# KiCad board Dumpling_Main.kicad_pcb (continued)
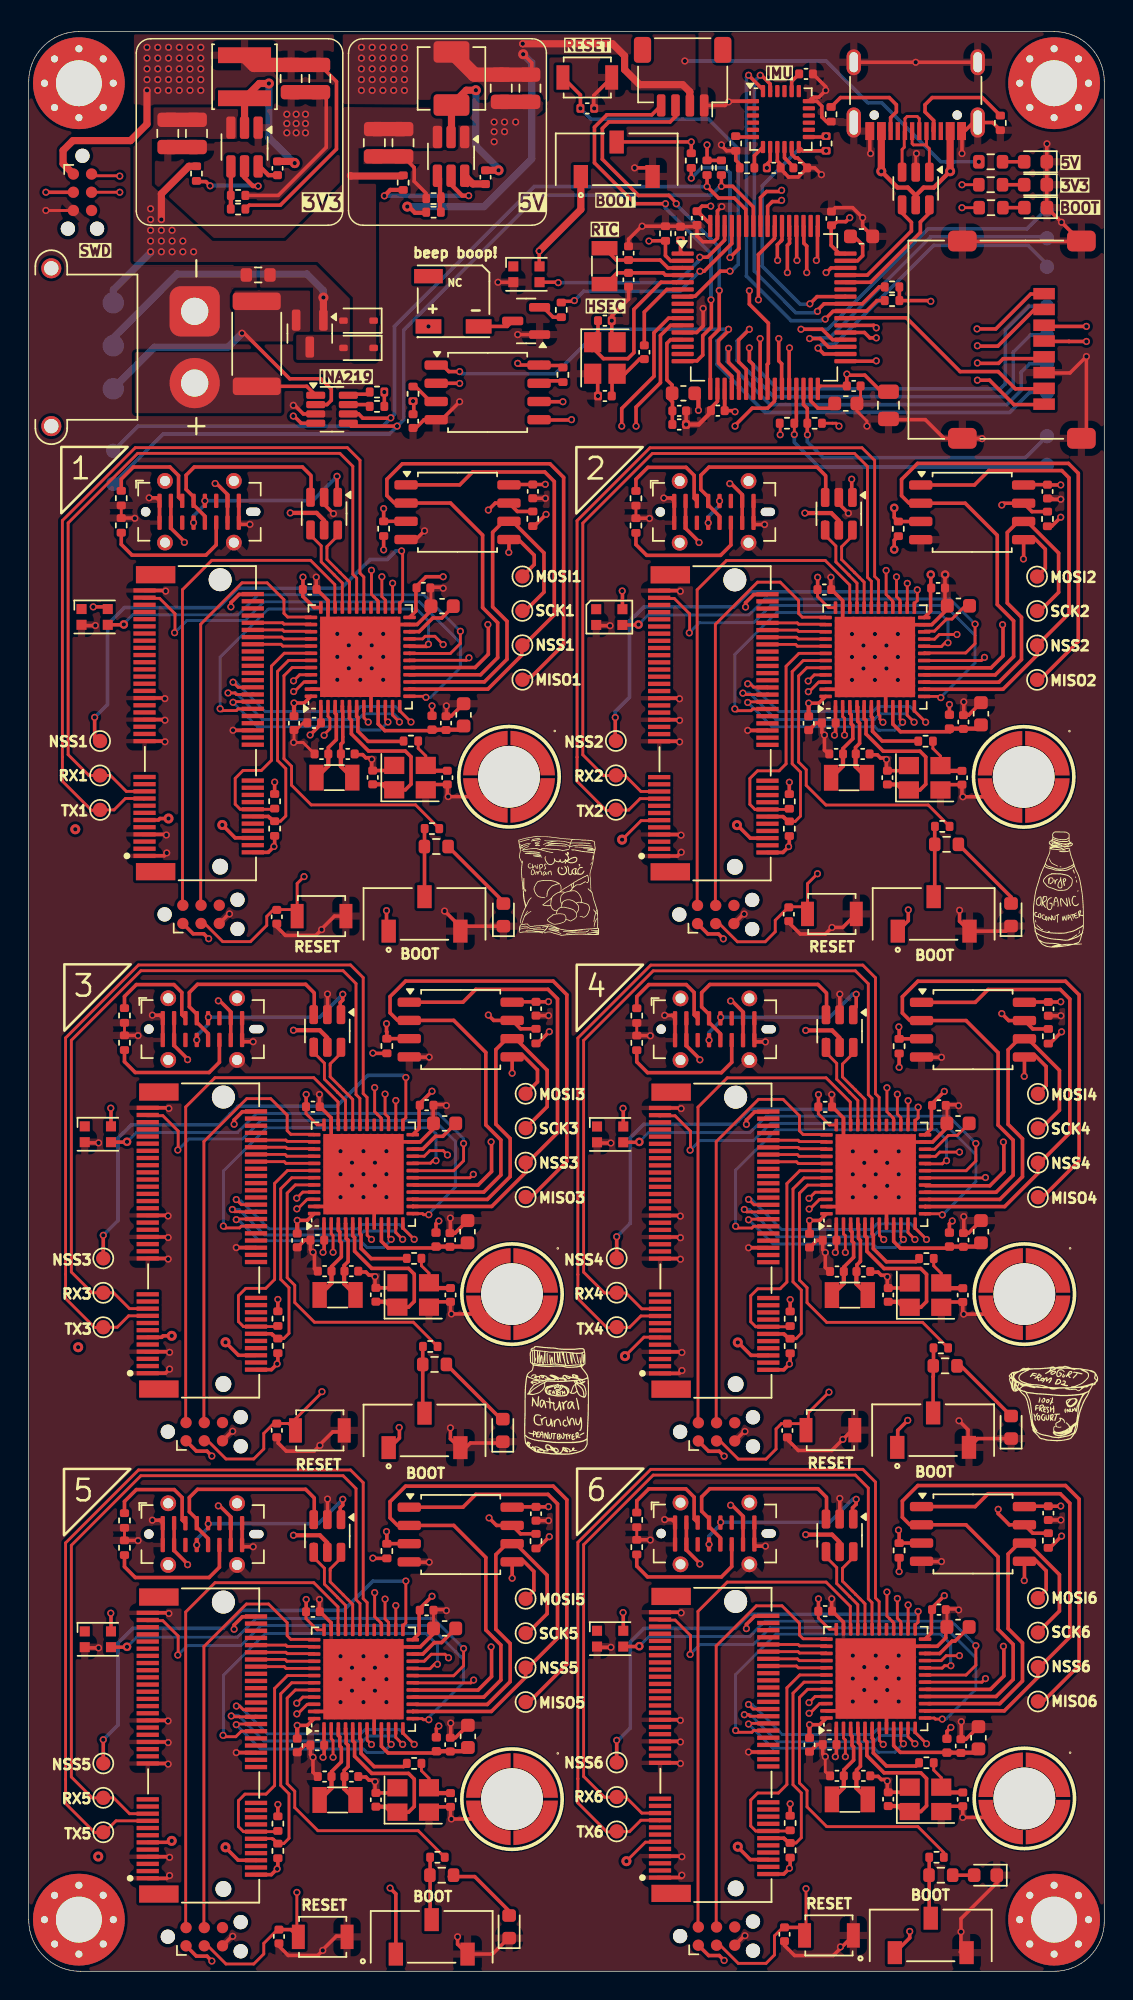
[diagram p0: board, top side]
## Routing (per net, layer and track width the routed paths; a pad name or vN(x,y) marks a point on that pad's centre or on a via; arc(x,y) is an arc through that point) (continued)
  Top w0.25: 11.56,125.69 11.55,125.68 ; 9.87,8.99 8.31,8.99 J19.11 ; v2(9.97,44.29) 9.37,44.29 9.27,44.19 8.31,44.19 J13.11 ; 43.97,80.24 J10.11 ; v2(9.75,80.35) 9.15,80.35 9.04,80.24 J7.11 8.08,80.25 ; 44.03,9.04 J22.11 ; 44.03,44.18 J16.11
  Top w0.3: 26.1,125.17 26.06,125.13 ; 9.87,8.99 v2(9.97,9.09)
  Top w0.5: 22.43,125.17 22.47,125.13 26.06,125.13 ; v1(9.25,122.1) 9.25,123.89 11.17,125.81 R15.2
  Top w1: C31.1 C32.1 ; C40.1 C39.1
  In2.Cu w2: 38.03,75.76 38.03,45.16 ; 38.15,40.46 38.15,12.76
  Bottom w0.5: v1(8.5,119.85) 8.5,119.8 5.9,117.2 VIN1.1
  vias: v1(8.5,122.85) v1(8.5,122.1) v1(8.5,121.35) v1(8.5,120.6) v1(9.25,121.35) v1(9.25,120.6) v1(9.25,119.85) v1(10,121.35) v1(10,120.6) v1(10,119.85) v1(10.75,120.6) v1(10.75,119.85) v1(11.5,119.85)
BOOT0: length 12.2
  Top w0.25: U1.60 49.53,120.07 v1(48.9,119.45) ; v1(46.2,124.98) R2.1
  Bottom w0.25: v1(48.9,119.45) 48.9,125.35 48.54,125.71 46.93,125.71 v1(46.2,124.98)
buzzer: length 14.8
  Top w0.25: v1(38.05,116.45) 38,116.4 37.22,116.4 R9.1 ; v1(46.81,118.49) 47.09,118.49 49.03,120.42 U1.61
  Bottom w0.25: v1(46.81,118.49) 46.8,118.49 45.41,117.1 38.7,117.1 v1(38.05,116.45)
co1_BOOT0: length 21.5
  Top w0.2: U4.44 18.37,90.87 17.8,90.3 17.8,84.52 18.33,83.99 18.33,82.67 19.7,81.3 26.98,81.3 R10.1
co1_FLASH_HOLD: length 28.3
  Top w0.2: U4.45 18.89,90.37 v1(18.47,89.94)
  Top w0.25: R14.2 34.07,101.75 U3.7 32.53,102.33 v1(32.05,101.85)
  In4.Cu w0.25: 18.47,89.95 v1(18.47,89.94) 18.47,97.33 23.66,102.53 31.37,102.53 v1(32.05,101.85)
co1_FLASH_WP: length 23.5
  Top w0.2: 20.6,86.2 21,86.6 21,87.34 20.87,87.47 U4.2
  Top w0.25: v1(24.75,101.95) R12.2 ; U3.3 24.75,101.06
  In4.Cu w0.25: v1(20.6,86.15) 20.73,86.15 20.88,86.3 20.88,86.41 19.35,87.94 19.35,95 24.75,100.4 v1(24.75,101.95)
co1_gpio1: length 14.5
  Top w0.2: v1(25.05,87.07) 24.87,87.26 U4.10 ; J7.44 14.29,88.49
  Top w0.25: 14.29,88.49 v1(14.25,88.45)
  Bottom w0.2: v1(14.25,88.45) 15.95,86.75 22.95,86.75 23.18,86.52 24.49,86.52 v1(25.05,87.07)
  Bottom w0.25: 14.3,88.5 v1(14.25,88.45)
co1_gpio2: length 16.6
  Top w0.2: 15.68,89.04 J7.46 ; J7.46 15.58,89.04 ; J7.46 14.49,88.99 14.38,89.1 v1(13.9,89.1) 14.01,88.99 14.01,88.99 14.02,89 ; U4.11 25.37,87.56 v1(25.85,87.07)
  Bottom w0.2: v1(13.9,89.1) 14.45,89.1 16.3,87.25 22.95,87.25 23.35,87.65 25.45,87.65 25.85,87.25 v1(25.85,87.07)
co1_gpio3: length 17
  Top w0.2: v1(14.25,89.85) 14.61,89.49 J7.48 ; v1(26.66,87.07) 25.87,87.86 U4.12
  Top w0.25: v1(14.25,89.85) 14.35,89.75
  Bottom w0.2: v1(26.66,87.07) 26.66,87.08 25.59,88.15 23.15,88.15 22.8,87.8 16.5,87.8 14.45,89.85 v1(14.25,89.85)
  Bottom w0.25: 26.66,87.07 v1(26.66,87.07)
co1_gpio4: length 33
  Top w0.2: v1(10.17,93.3) 10.2,93.33 10.2,94.62 9.13,95.69 8.08,95.69 J7.73 ; 7.99,95.69 7.99,95.72 ; 26.58,88.84 U4.13 27.62,88.87 v1(27.7,88.79)
  Bottom w0.2: 30.1,90.85 30.1,91.65 ; 30.1,91.65 30.1,90.88 28.02,88.79 v1(27.7,88.79) ; 30.1,91.65 30.1,92.6 27.25,95.45 16.4,95.45 15.1,94.15 11.02,94.15 v1(10.17,93.3)
co1_I2C1_SCL: length 17.5
  Top w0.2: U4.42 17.82,91.87 16.92,90.97 16.92,84.4 16.22,83.7 14.95,83.7 14.4,83.15 14.4,81.34 14.75,80.99 17.1,80.99 R30.2
co1_I2C1_SDA: length 15.6
  Top w0.2: U4.43 18.12,91.37 17.35,90.6 17.35,84.4 17.93,83.82 17.93,80.53 17.56,80.16 R29.2
  Top w0.25: J7.12 16.71,80.49 16.81,80.4 16.81,80.4 17.05,80.16 R29.2
co1_NRST: length 77.5
  Top w0.2: J9.3 12.27,73.03 13.53,71.77 15.47,71.77 16.6,72.9 16.6,73.53 17.08,74 18.26,74 ; v1(19.2,76.3) 18.72,75.82 SW3.1 ; U4.7 23.38,88.17 23.38,87.37 v1(23.67,87.07)
  Top w0.25: U1.26 52,110.28 52,109.43 51.52,108.95 50.45,108.95 49.35,107.85 49.35,107.8 v1(49.25,107.7)
  In1.Cu w0.25: v1(23.67,87.07) 23.61,87 19.09,87 17.89,88.19 17.89,92.46 23.66,98.23 34.68,98.23 43.15,106.7 48.25,106.7 v1(49.25,107.7)
  In3.Cu w0.2: v1(19.2,76.3) 19.2,82.59 v1(23.67,87.07)
co1_OSC_IN: length 11.7
  Top w0.25: HSE3.1 26.26,82.35 26.66,82.75 26.66,84.65 26.26,85.05 23.7,85.05 22.5,86.25 22.5,87.2 22.37,87.33 U4.5
  Top w0.3: 24.68,82.73 25.06,82.35 ; C27.1 25.11,82.73
co1_OSC_OUT: length 5.3
  Top w0.25: U4.6 22.87,87.47 22.95,87.39 22.95,86.44 23.66,85.72 26.11,85.72 R13.1
co1_pwr_cyc: length 25.3
  Top w0.2: J7.42 14.6,87.99 14.48,87.87 13.48,87.87
  Top w0.25: v1(27.88,92.5) 27.78,92.41 27.78,92.38 27.76,92.35 26.58,92.35 U4.20 ; v1(13.35,88) 13.48,87.87
  Bottom w0.2: v1(13.35,88) 13.35,91.6 16.7,94.95 27.05,94.95 27.88,94.12 v1(27.88,92.5)
co1_RGB_LED: length 31.4
  Top w0.2: v1(30.1,93.4) 30.1,92.55 29.4,91.85 26.58,91.85
  Top w0.25: v3(6.63,93.88) 6.61,93.85 5.31,93.85 ; 26.58,91.85 U4.19
  Bottom w0.2: v1(30.1,93.4) 27.55,95.95 16,95.95 14.6,94.55 7.25,94.55 6.63,93.93 v3(6.63,93.88)
co1_RTC_IN: length 5.6
  Top w0.25: U4.3 21.37,87.69 21.45,87.61 21.45,85.85 20.89,85.29 20.89,84.8
  Top w0.3: 20.89,84.8 20.89,84.03 Y1.1
co1_RTC_OUT: length 5.4
  Top w0.25: 21.77,84.8 21.77,85.53 21.9,85.66 21.9,87.8 21.88,87.82 21.88,88.18 U4.4
  Top w0.3: Y1.2 21.77,83.99 21.77,84.8
co1_SPI1_MISO: length 51.9
  Top w0.25: 25.5,102.33 24.97,102.86 24.97,104 26.05,105.07 36.35,105.07 37.3,104.12 37.3,92.47 35.05,90.22 34.62,90.22 TP24.1 ; U4.16 31.51,90.37 32.7,91.56 32.7,94 31.65,95.05 31.65,100.1 29.42,102.33 26.86,102.33
co1_SPI1_MOSI: length 18.4
  Top w0.25: TP19.1 35.25,98.05 35.25,98.7 34.16,99.79 U3.5 33.49,98.91 v1(33.47,98.9) ; v1(32.02,93.87) 32.05,93.84 32.05,91.8 31.12,90.88 26.66,90.88
  In4.Cu w0.25: 33.47,98.88 32.02,97.42 v1(32.02,93.87)
  Bottom w0.25: v1(33.47,98.9) 33.47,98.88
co1_SPI1_NSS: length 32.9
  Top w0.2: U4.14 26.58,89.39
  Top w0.25: U4.14 26.56,89.37 26.57,89.37 26.57,89.37 32.02,89.37 34.38,91.72 34.38,92.38 TP32.1 34.68,92.67 34.78,92.67 36.65,94.55 36.65,103.84 35.99,104.5 30.95,104.5 30.06,103.6 U3.1
co1_SPI1_SCK: length 26.2
  Top w0.25: 34.4,94.6 35.93,96.13 35.93,98.86 33.73,101.06 U3.6 33.11,101.06 32.35,100.3 32.35,95.1 33.35,94.1 33.35,91.45 31.78,89.88 26.81,89.88
co1_SPI3_MISO: length 4.1
  Top w0.2: J7.62 17.66,92.99 17.78,92.87 U4.40
co1_SPI3_MOSI: length 4.1
  Top w0.2: J7.60 17.59,92.49 17.72,92.37 U4.41
co1_SPI3_NSS: length 4.1
  Top w0.2: U4.38 19.65,93.9 17.8,93.9 17.71,93.99 J7.66
co1_SPI3_SCK: length 4.1
  Top w0.2: J7.64 17.71,93.49 17.8,93.4 19.65,93.4 U4.39
co1_SWCLK: length 30.1
  Top w0.2: U4.37 19.66,94.39 18.06,94.39 17.8,94.65 17.8,95.6 16.62,96.77 14.88,96.77 11.99,93.89 11.99,74.25
co1_SWDIO: length 35.8
  Top w0.2: 10.72,74.25 10.72,96.3 12.77,98.34 19.66,98.34 21.34,96.66 21.34,95.08 U4.34
co1_USART_RX: length 54.7
  Top w0.2: U4.31 22.87,97.11 22.6,97.38 22.6,104.9 21.7,105.8 7.6,105.8 2.75,100.95 2.75,84.8 4.2,83.35 5.7,83.35 6.81,82.24 J7.19
co1_USART_TX: length 58.7
  Top w0.2: 4.58,80.92 4.38,80.92 2.35,82.95 2.35,84.63 2.35,84.63 2.35,101.12 7.43,106.2 22.22,106.2 23.1,105.32 23.1,97.45 23.37,97.18 U4.30 ; 4.6,80.95 5.95,80.95 6.74,81.74 J7.17 8.03,81.69
co1_USB_D+: length 6
  Top w0.2: U4.33 21.87,96.77 21.31,97.33 21.31,97.33 20.4,98.24 20.4,99.35 19.65,100.1
co1_USB_D+_ESD: length 14.2
  Top w0.25: 19.64,104.3 19.09,104.85 11.55,104.85 10.98,104.28 10.98,103.29 11.5,102.77 J8.A6 11.5,102.21 12.29,101.42 J8.B6 ; 19.69,104.25 19.69,103
co1_USB_D-: length 6
  Top w0.2: U4.32 22.37,96.83 22.27,96.93 22.27,96.93 21.71,97.49 21.71,97.5 20.8,98.41 20.8,99.3 21.57,100.08
co1_USB_D-_ESD: length 12.9
  Top w0.25: 11.51,100.96 v1(11.5,100.97) ; v1(21.5,104.2) 21.5,103.05
  Bottom w0.25: v1(11.5,100.97) 11.5,101.45 12.29,102.24 v1(12.29,102.49) 12.31,102.51 19.81,102.51 v1(21.5,104.2)
co1_VDDA: length 7.9
  Top w0.25: U4.9 24.37,86.94 24.84,86.47 28.44,86.47 ; 28.06,86.47 FB3.2 ; 30.32,86.54 30.33,86.55
  Top w0.3: FB3.2 30.06,86.54 C21.1
  Top w0.5: 29.12,86.54 29.12,86.54
co2_BOOT0: length 21.1
  Top w0.2: U5.44 54.26,90.86 53.69,90.29 53.69,84.28 54.21,83.75 54.21,82.66 55.59,81.29 62.72,81.29 R35.1
co2_FLASH_HOLD: length 38.6
  Top w0.2: v1(54.35,89.93) 54.78,90.36 U5.45
  Top w0.25: v1(67.85,102.2) 67.97,102.32 U8.7 69.96,101.74 R41.2
  In4.Cu w0.25: v1(54.35,89.93) 54.29,89.93 53.6,89.24 53.6,87.24 55.74,85.1 64.2,85.1 68.55,89.45 68.55,95.45 67.85,96.15 v1(67.85,102.2)
co2_FLASH_WP: length 32.6
  Top w0.2: U5.2 56.76,87.46 56.89,87.33 v1(56.89,86.16)
  Top w0.25: R40.2 60.35,101.34 v3(60.35,102) ; 60.64,101.05 60.65,101.05 62.19,101.05 U8.3
  In4.Cu w0.25: v1(56.89,86.16) 63.97,86.16 67.3,89.49 67.3,96.25 62.4,101.15 61.2,101.15 v3(60.35,102)
co2_gpio1: length 14.5
  Top w0.2: U5.10 60.76,87.25 v1(60.94,87.06) ; 50.18,88.48 J10.44
  Top w0.25: v1(50.14,88.44) 50.18,88.48
  Bottom w0.2: v1(50.14,88.44) 50.14,88.44 51.83,86.75 59,86.75 59.25,86.5 59.33,86.5 59.33,86.51 60.38,86.51 v1(60.94,87.06)
  Bottom w0.25: 50.19,88.49 v1(50.14,88.44)
co2_gpio2: length 16.3
  Top w0.2: U5.11 61.26,87.55 v1(61.74,87.06) ; 51.46,89.03 J10.46 ; J10.46 51.56,89.03 ; J10.46 50.37,88.98 50.36,88.99 49.91,88.99 49.9,88.99 v1(49.8,89.09)
  Bottom w0.2: v1(49.8,89.09) 50.26,89.09 50.36,88.99 50.36,88.99 50.69,88.67 50.69,88.66 52.1,87.25 58.95,87.25 59.35,87.65 61.17,87.65 61.75,87.06
  Bottom w0.25: 61.75,87.06 v1(61.74,87.06)
co2_gpio3: length 16.6
  Top w0.2: 50.3,89.74 50.53,89.51 51.49,89.51 ; U5.12 61.76,87.85 v1(62.54,87.06)
  Top w0.25: 51.49,89.51 J10.48
  Bottom w0.2: v1(50.14,89.74) 50.36,89.74 52.3,87.8 58.85,87.8 59.2,88.15 61.47,88.15 62.55,87.06
  Bottom w0.25: 62.55,87.06 v1(62.54,87.06)
co2_gpio4: length 32.2
  Top w0.2: 62.47,88.83 U5.13 63.52,88.86 v1(63.6,88.77) ; J10.73 43.96,95.68 45.02,95.68 46.09,94.61 46.09,93.32 v1(46.06,93.29) ; 43.88,95.68 43.88,95.71
  Bottom w0.2: v1(63.6,88.77) 63.6,88.8 65.99,91.19 65.99,93.11 63.9,95.2 51.75,95.2 50.55,94 46.77,94 v1(46.06,93.29)
  Bottom w0.25: 63.52,88.69 v1(63.6,88.77)
co2_I2C1_SCL: length 17.6
  Top w0.2: R43.2 52.99,80.98 50.64,80.98 50.29,81.33 50.29,83.14 50.82,83.67 52.32,83.67 52.81,84.16 52.81,90.96 53.71,91.86 U5.42
co2_I2C1_SDA: length 15.6
  Top w0.2: R42.2 53.45,80.15 53.81,80.52 53.81,83.59 53.24,84.16 53.24,90.59 54.01,91.36 U5.43
  Top w0.25: R42.2 52.94,80.15 52.7,80.39 52.69,80.39 52.6,80.48 J10.12
co2_NRST: length 68.6
  Top w0.2: 54.31,74.06 54.31,75.81 v1(55,76.5) ; J6.3 48.15,73.02 49.42,71.76 51.36,71.76 52.06,72.46 52.06,73.26 53.11,74.31 ; 59.26,88.16 U5.7 59.26,87.59 59.35,87.5 59.35,87.27 v1(59.56,87.06) ; 54.16,74.2 53.04,74.2 C47.1
  Top w0.25: v1(52.3,113.8) 52.3,112.25 52.5,112.05 52.5,110.32 U1.27
  In1.Cu w0.25: v1(59.56,87.06) 60.85,88.35 62.05,88.35 65.4,91.7 65.4,97.45 61.9,100.95 61.9,112 61,112.9 58.54,112.9 58.14,112.5 54.6,112.5 53.3,113.8 v1(52.3,113.8)
  In3.Cu w0.2: v1(55,76.5) 55,82.5 v1(59.56,87.06)
co2_OSC_IN: length 11.7
  Top w0.25: HSE2.1 62.15,82.34 62.55,82.74 62.55,84.64 62.15,85.04 59.59,85.04 58.39,86.24 58.39,87.19 58.26,87.32 U5.5
  Top w0.3: C16.1 60.99,82.72 ; 60.57,82.72 60.95,82.34
co2_OSC_OUT: length 5.3
  Top w0.25: R26.1 62.02,85.75 59.51,85.75 58.84,86.43 58.84,87.38 58.76,87.46 U5.6
co2_pwr_cyc: length 25.8
  Top w0.2: U5.20 62.46,92.34 63.64,92.34 63.9,92.6 v1(64.1,92.6) ; J10.42 50.49,87.98 50.37,87.86 49.36,87.86
  Top w0.25: v1(49.24,87.99) 49.36,87.86
  Bottom w0.2: v1(64.1,92.6) 64.1,94.1 63.5,94.7 52.15,94.7 49.24,91.79 v1(49.24,87.99)
co2_RGB_LED: length 31.4
  Top w0.2: 62.47,91.89 65.34,91.89 65.99,92.54 65.99,93.9
  Top w0.25: v1(65.99,93.9) 65.99,93.9 ; 41.2,93.84 42.49,93.84 v3(42.52,93.87) ; 62.47,91.89 U5.19
  Bottom w0.2: v1(65.99,93.9) 64.24,95.65 51.33,95.65 50.21,94.54 43.19,94.54 v3(42.52,93.87)
co2_RTC_IN: length 5.7
  Top w0.25: U5.3 57.26,87.68 57.35,87.58 57.35,86.95 57.46,86.84 57.46,85.91 56.78,85.23 56.78,84.79
  Top w0.3: Y3.1 56.78,84.02 56.78,84.79
co2_RTC_OUT: length 5.5
  Top w0.25: U5.4 57.8,88.12 57.8,87.13 57.94,87 57.94,85.59 57.65,85.3 57.65,84.8 57.66,84.79
  Top w0.3: Y3.2 57.66,83.98 57.66,84.79
co2_SPI1_MISO: length 52.1
  Top w0.25: 61.39,102.32 60.86,102.85 60.86,103.98 61.98,105.1 72.5,105.1 73.19,104.41 73.19,92.69 70.51,90.01 TP29.1 ; U5.16 67.39,90.36 68.68,91.64 68.68,94.12 67.54,95.26 67.54,100.09 65.3,102.32 62.75,102.32
co2_SPI1_MOSI: length 17.7
  Top w0.25: v1(69.36,98.44) 69.37,98.45 U8.5 ; 62.53,90.85 67.1,90.85 67.94,91.69 67.94,93.83 v1(67.9,93.86) ; TP25.1 70.89,97.79 70.89,99.12 70.12,99.88
  In3.Cu w0.3: v1(67.9,93.86) 67.9,97 69.34,98.44
  Bottom w0.25: 69.34,98.44 v1(69.36,98.44)
co2_SPI1_NSS: length 33.1
  Top w0.2: U5.14 62.47,89.38
  Top w0.25: U8.1 65.94,103.59 66.95,104.6 72.04,104.6 72.54,104.1 72.54,94.64 70.32,92.43 70.32,91.75 67.93,89.36 62.46,89.36 62.46,89.36 62.44,89.36 U5.14
co2_SPI1_SCK: length 26.4
  Top w0.25: 70.29,94.59 71.81,96.11 71.81,98.85 69.61,101.05 U8.6 69,101.05 68.24,100.29 68.24,95.36 69.22,94.38 69.22,91.43 67.65,89.85 62.45,89.85 U5.15
co2_SPI3_MISO: length 4.1
  Top w0.2: J10.62 53.54,92.98 53.67,92.86 U5.40
co2_SPI3_MOSI: length 4.1
  Top w0.2: J10.60 53.48,92.48 53.61,92.36 U5.41
co2_SPI3_NSS: length 4.1
  Top w0.2: U5.38 55.54,93.89 53.69,93.89 53.59,93.98 J10.66
co2_SPI3_SCK: length 4.1
  Top w0.2: U5.39 55.54,93.39 53.69,93.39 53.59,93.48 J10.64
co2_SWCLK: length 30.1
  Top w0.2: U5.37 55.54,94.38 53.94,94.38 53.69,94.64 53.69,95.54 52.4,96.82 50.82,96.82 47.88,93.88 47.88,74.24
co2_SWDIO: length 35.8
  Top w0.2: 46.61,74.24 46.61,96.29 48.65,98.33 55.54,98.33 57.25,96.63 57.25,95.05 U5.34
co2_USART_RX: length 54.7
  Top w0.2: U5.31 58.76,96.89 58.49,97.16 58.49,104.89 57.59,105.79 43.49,105.79 38.64,100.94 38.64,84.79 40.09,83.34 41.59,83.34 42.69,82.23 J10.19
co2_USART_TX: length 58.7
  Top w0.2: 40.49,80.94 41.84,80.94 42.63,81.73 J10.17 43.91,81.68 ; U5.30 59.26,96.96 58.99,97.23 58.99,105.31 58.1,106.19 43.32,106.19 38.24,101.11 38.24,84.62 38.24,84.62 38.24,82.94 40.26,80.91 40.46,80.91
co2_USB_D+: length 6.9
  Top w0.2: 55.54,101.04 55.54,100.09 56.28,99.34 56.28,98.23 57.19,97.32 57.19,97.32 57.76,96.76 U5.33
co2_USB_D+_ESD: length 14.2
  Top w0.25: J23.B6 48.17,101.41 47.38,102.2 J23.A6 47.38,102.76 46.87,103.28 46.87,104.27 47.43,104.84 54.97,104.84 55.52,104.29 ; 55.57,104.24 55.57,102.99
co2_USB_D-: length 6
  Top w0.2: 57.46,100.07 56.68,99.29 56.68,98.4 57.6,97.49 57.6,97.48 58.26,96.82 U5.32
co2_USB_D-_ESD: length 13
  Top w0.25: 48.17,102.13 v1(48.17,102.48) ; 47.39,100.95 v1(47.38,100.96) ; v1(57.39,104) 57.39,103.04
  In1.Cu w0.25: v1(57.39,104) 56.5,104 55.25,102.75 48.44,102.75 v1(48.17,102.48)
  Bottom w0.25: v1(47.38,100.96) 47.38,101.38 48.17,102.17 v1(48.17,102.48) 48.19,102.5
co2_VDDA: length 8
  Top w0.25: U5.9 60.26,86.93 60.79,86.4 64.26,86.4 64.32,86.46 ; 66.4,86.62 66.4,86.62 ; 64.13,86.55 FB2.2
  Top w0.3: 66.4,86.88 66.14,86.61 FB2.2
  Top w0.5: 65.19,86.61 65.2,86.62
co3_BOOT0: length 21.2
  Top w0.2: R45.1 26.82,45.24 19.92,45.24 18.55,46.61 18.55,47.81 18.02,48.34 18.02,54.24 18.59,54.81 U13.44
co3_FLASH_HOLD: length 28.1
  Top w0.2: U13.45 19.11,54.31 v1(18.69,53.89)
  Top w0.25: R50.2 34.3,65.69 U10.7 32.42,66.28 v1(32.05,66.65)
  In4.Cu w0.25: v1(18.69,53.89) 18.69,61.27 24.07,66.65 v1(32.05,66.65)
co3_FLASH_WP: length 23.5
  Top w0.2: U13.2 21.09,51.41 21.22,51.28 v1(21.22,50.12)
  Top w0.25: v1(24.95,66.05) 24.95,65.5 24.97,65.48 R49.2 ; U10.3 24.98,65.01
  In4.Cu w0.25: v1(21.22,50.12) 21.1,50.24 21.1,50.35 19.7,51.75 19.7,58.75 21.2,60.25 21.2,62.3 v1(24.95,66.05) 24.95,66
co3_gpio1: length 14.5
  Top w0.2: U13.10 25.09,51.2 v1(25.27,51.02) ; J13.44 14.52,52.44
  Top w0.25: 14.52,52.44 v1(14.47,52.39)
  Bottom w0.2: 14.47,52.38 14.62,52.38 16.08,50.92 23.13,50.92 23.6,50.45 24.75,50.45 25.27,50.97
  Bottom w0.25: 14.52,52.44 v1(14.47,52.39) 14.47,52.38 ; 25.27,50.97 v1(25.27,51.02)
co3_gpio2: length 16.2
  Top w0.2: 15.8,52.99 J13.46 ; J13.46 14.71,52.94 14.7,52.94 14.36,52.94 v1(14.2,53.1) ; J13.46 15.9,52.99 ; U13.11 25.59,51.5 v1(26.07,51.02)
  Bottom w0.2: 26.09,51.02 26.08,51.02 25.5,51.6 23.4,51.6 23.12,51.32 16.45,51.32 14.67,53.1 v1(14.2,53.1) 14.26,53.04
  Bottom w0.25: 26.09,51.02 v1(26.07,51.02)
co3_gpio3: length 16.9
  Top w0.2: v1(14.47,53.79) 14.83,53.44 J13.48 ; v1(26.88,51.02) 26.09,51.8 U13.12
  Top w0.25: v1(14.47,53.79) 14.57,53.69
  Bottom w0.2: v1(14.47,53.79) 14.57,53.69 14.81,53.69 16.75,51.75 22.95,51.75 23.25,52.05 25.85,52.05 26.88,51.02 v1(26.88,51.02)
co3_gpio4: length 31.8
  Top w0.2: 26.81,52.79 U13.13 27.46,52.81 27.53,52.74 v1(27.9,52.74) ; J13.73 8.3,59.64 9.35,59.64 10.42,58.57 10.42,57.27 v1(10.4,57.24) ; 8.21,59.64 8.21,59.66
  Bottom w0.2: v1(27.9,52.74) 27.9,52.8 29.75,54.65 29.75,57.85 28.3,59.3 16.2,59.3 14.92,58.02 11.17,58.02 v1(10.4,57.24)
co3_I2C1_SCL: length 17.5
  Top w0.2: R52.2 17.33,44.94 14.97,44.94 14.62,45.29 14.62,47.09 15.13,47.6 16.53,47.6 17.15,48.22 17.15,54.92 18.04,55.81 U13.42
co3_I2C1_SDA: length 15.6
  Top w0.2: U13.43 18.34,55.31 17.57,54.54 17.57,48.23 18.15,47.65 18.15,44.47 17.78,44.1 R51.2
  Top w0.25: J13.12 16.94,44.44 17.03,44.34 17.04,44.34 17.28,44.1 R51.2
co3_NRST: length 133.2
  Top w0.2: U13.7 23.6,52.11 23.6,51.31 v1(23.9,51.01) ; J12.3 12.49,36.98 13.75,35.71 15.69,35.71 16.39,36.41 16.39,37.49 17.08,38.18 C60.1 18.12,38.18 SW7.1 ; 18.6,38.13 18.6,37.6 18.6,38.5 20.45,40.35 v1(20.45,40.4)
  Top w0.25: U1.28 53.03,113.12 v1(53.05,113.15)
  Top w0.5: 18.6,38.06 18.57,38.09
  In1.Cu w0.25: v1(53.05,113.15) 51.2,111.3 43.8,111.3 38.25,105.75 17.5,105.75 11.43,99.68 11.43,66.33 10.99,65.89 10.99,64.45 11.75,63.69 11.75,58.5 19.25,51 23.89,51 v1(23.9,51.01)
  In3.Cu w0.2: v1(23.9,51.01) 20.45,47.56 v1(20.45,40.4)
co3_OSC_IN: length 11.7
  Top w0.25: U13.5 22.59,51.27 22.72,51.14 22.72,50.19 23.92,48.99 26.49,48.99 26.89,48.59 26.89,46.69 26.49,46.29 HSE4.1
  Top w0.3: 24.9,46.67 25.29,46.29 ; C54.1 25.33,46.67
co3_OSC_OUT: length 5.3
  Top w0.25: R44.1 26.35,49.67 23.88,49.67 23.18,50.38 23.18,51.33 23.09,51.41 U13.6
co3_pwr_cyc: length 26
  Top w0.2: J13.42 14.83,51.94 14.71,51.82 13.7,51.82 ; U13.20 26.79,56.32 28.01,56.32 28.19,56.5 v1(28.4,56.5)
  Top w0.25: v1(13.57,51.94) 13.7,51.82
  Bottom w0.2: v1(28.4,56.5) 28.4,58.38 27.97,58.8 16.6,58.8 13.57,55.77 v1(13.57,51.94)
co3_RGB_LED: length 31.7
  Top w0.2: v1(30.32,57.7) 30.32,56.49 29.63,55.8 26.85,55.8 26.84,55.81 U13.19
  Top w0.25: 5.54,57.79 6.83,57.79 v3(6.86,57.82)
  Bottom w0.2: v3(6.86,57.82) 7.5,58.47 14.56,58.47 15.9,59.8 28.55,59.8 30.32,58.03 v1(30.32,57.7)
co3_RTC_IN: length 5.6
  Top w0.25: U13.3 21.59,51.63 21.69,51.54 21.69,50.9 21.8,50.79 21.8,49.8 21.12,49.12 C55.1
  Top w0.3: Y4.1 21.12,47.97 21.12,48.74
co3_RTC_OUT: length 5.4
  Top w0.25: 21.99,48.8 21.99,49.19 22.27,49.47 22.27,50.95 22.14,51.09 22.14,51.72 22.1,51.77 22.1,52.12 U13.4
  Top w0.3: 21.99,48.74 21.99,47.93 Y4.2
co3_SPI1_MISO: length 51.9
  Top w0.25: 27.09,66.28 29.64,66.28 31.87,64.04 31.87,58.99 32.92,57.94 32.92,55.5 31.73,54.31 U13.16 ; TP15.1 35.04,53.97 37.52,56.45 37.52,68.07 36.57,69.02 26.28,69.02 25.2,67.94 25.2,66.8 25.72,66.28
co3_SPI1_MOSI: length 17.8
  Top w0.25: TP14.1 35.47,61.99 35.47,62.82 34.46,63.84 ; v1(32.24,57.81) 32.27,57.78 32.27,55.74 31.33,54.8 26.87,54.8 ; v1(33.71,62.6) U10.5
  In4.Cu w0.25: v1(33.71,62.6) 33.71,59.28 v1(32.24,57.81)
co3_SPI1_NSS: length 32.9
  Top w0.2: U13.14 26.81,53.34
  Top w0.25: U13.14 26.78,53.31 26.8,53.31 32.29,53.31 34.68,55.7 34.68,56.25 36.87,58.45 36.87,67.78 36.21,68.44 31.17,68.44 30.28,67.55 U10.1
co3_SPI1_SCK: length 26.5
  Top w0.25: U13.15 26.79,53.8 31.98,53.8 33.57,55.39 33.57,58.04 32.57,59.04 32.57,64.24 33.34,65.01 U10.6 33.95,65.01 36.15,62.81 36.15,60.27 34.42,58.54
co3_SPI3_MISO: length 4.1
  Top w0.2: U13.40 18,56.81 17.88,56.94 J13.62
co3_SPI3_MOSI: length 4.1
  Top w0.2: U13.41 17.94,56.31 17.82,56.44 J13.60
co3_SPI3_NSS: length 4.1
  Top w0.2: J13.66 17.93,57.94 18.02,57.84 19.87,57.84 U13.38
co3_SPI3_SCK: length 4.1
  Top w0.2: U13.39 19.87,57.34 18.02,57.34 17.93,57.44 J13.64
co3_SWCLK: length 30.2
  Top w0.2: U13.37 19.88,58.34 18.28,58.34 18.02,58.59 18.02,59.68 16.88,60.82 15.21,60.82 12.22,57.84 12.22,38.2
co3_SWDIO: length 35.8
  Top w0.2: U13.34 21.57,59.02 21.57,60.6 19.88,62.29 12.99,62.29 10.95,60.24 10.95,38.2
co3_USART_RX: length 54.7
  Top w0.2: J13.19 7.03,46.19 5.92,47.29 4.42,47.29 2.97,48.74 2.97,64.89 7.82,69.74 21.92,69.74 22.82,68.84 22.82,61.11 23.09,60.84 U13.31
co3_USART_TX: length 58.7
  Top w0.2: U13.30 23.59,60.91 23.32,61.18 23.32,69.26 22.44,70.14 7.66,70.14 2.57,65.06 2.57,48.58 2.57,48.58 2.57,46.89 4.6,44.87 4.8,44.87 ; 4.82,44.89 6.17,44.89 6.97,45.69 J13.17 8.25,45.64
co3_USB_D+: length 6.9
  Top w0.2: U13.33 22.09,60.71 21.53,61.27 21.53,61.27 20.62,62.18 20.62,63.29 19.87,64.04 19.87,64.99
co3_USB_D+_ESD: length 14.2
  Top w0.25: 19.91,68.19 19.91,66.94 ; J11.B6 12.51,65.36 11.72,66.15 J11.A6 11.72,66.71 11.2,67.23 11.2,68.22 11.77,68.79 19.31,68.79 19.86,68.24
co3_USB_D-: length 6
  Top w0.2: 21.8,64.02 21.02,63.25 21.02,62.35 21.93,61.44 21.93,61.44 22.59,60.78 U13.32
co3_USB_D-_ESD: length 13.2
  Top w0.25: v1(12.53,66.5) 12.53,66.45 J11.A7 ; 21.72,66.99 21.72,67.52 21.9,67.7 v1(21.9,68.1) ; 11.73,64.9 v1(11.72,64.91)
  Bottom w0.25: v1(11.72,64.91) 11.72,65.22 12.53,66.03 v1(12.53,66.5) 20.3,66.5 v1(21.9,68.1)
co3_VDDA: length 7.9
  Top w0.25: 30.59,50.52 30.6,50.53 ; U13.9 24.59,50.88 25.06,50.42 28.66,50.42 ; 28.33,50.45 FB4.2
  Top w0.3: FB4.2 30.34,50.51 30.6,50.78
  Top w0.5: 29.39,50.51 29.4,50.52
co4_BOOT0: length 21.1
  Top w0.2: U16.44 54.31,54.8 53.74,54.23 53.74,48.17 54.27,47.65 54.27,46.6 55.64,45.23 62.33,45.23 R54.1
co4_FLASH_HOLD: length 39.8
  Top w0.2: U16.45 54.83,54.3 v1(54.41,53.88)
  Top w0.25: v1(67.85,66.75) 68.33,66.27 U12.7 70.02,65.68 R59.2
  In4.Cu w0.25: v1(67.85,66.75) 67.85,60.6 68.54,59.91 68.54,53.29 64.2,48.95 60.14,48.95 60.11,48.98 59.63,48.98 59.6,48.95 55.5,48.95 53.55,50.9 53.55,53.08 54.35,53.88 v1(54.41,53.88)
co4_FLASH_WP: length 31.4
  Top w0.2: U16.2 56.81,51.4 56.94,51.27 v1(56.94,50.11)
  Top w0.25: U12.3 60.7,65 ; R58.2 60.69,65.86
  In4.Cu w0.25: v1(56.94,50.11) 64.03,50.11 67.29,53.37 67.29,59.21 v1(60.67,65.82)
co4_gpio1: length 14.5
  Top w0.2: U16.10 60.81,51.19 v1(60.99,51.01) ; J16.44 50.24,52.43
  Top w0.25: 50.24,52.43 v1(50.19,52.38)
  Bottom w0.2: v1(50.19,52.38) 50.22,52.38 51.9,50.7 58.85,50.7 59.1,50.45 60.44,50.45 v1(60.99,51.01)
  Bottom w0.25: 50.24,52.43 v1(50.19,52.38)
co4_gpio2: length 16.3
  Top w0.2: v1(49.9,53.1) 50.07,52.93 50.42,52.93 50.43,52.93 J16.46 ; U16.11 61.31,51.49 v1(61.79,51.01) ; J16.46 51.62,52.98 ; J16.46 51.52,52.98
  Bottom w0.2: 61.81,51.01 61.23,51.58 59.23,51.58 58.85,51.2 52.18,51.2 50.28,53.1 v1(49.9,53.1)
  Bottom w0.25: 61.81,51.01 v1(61.79,51.01)
co4_gpio3: length 16.9
  Top w0.2: J16.48 50.58,53.43 50.2,53.8 v1(50.19,53.8) ; v1(62.6,51.01) 61.81,51.79 U16.12
  Bottom w0.2: 62.6,51.02 61.51,52.1 59.15,52.1 58.75,51.7 52.5,51.7 50.4,53.8 v1(50.19,53.8)
  Bottom w0.25: 62.6,51.02 v1(62.6,51.01)
co4_gpio4: length 32
  Top w0.2: 43.93,59.63 43.93,59.65 ; v1(63.7,52.73) 63.62,52.8 U16.13 62.53,52.78 ; J16.73 44.02,59.63 45.07,59.63 46.14,58.56 46.14,57.26 v1(46.12,57.23)
  Bottom w0.2: v1(46.12,57.23) 46.79,57.9 50.54,57.9 51.74,59.1 63.85,59.1 66.04,56.91 66.04,55.04 63.73,52.73 v1(63.7,52.73)
co4_I2C1_SCL: length 17.6
  Top w0.2: U16.42 53.76,55.8 52.87,54.91 52.87,48.04 52.4,47.57 50.84,47.57 50.34,47.08 50.34,45.28 50.69,44.93 53.05,44.93 R61.2
co4_I2C1_SDA: length 15.6
  Top w0.2: U16.43 54.06,55.3 53.29,54.53 53.29,48.06 53.87,47.48 53.87,44.46 53.5,44.09 R60.2
  Top w0.25: J16.12 52.66,44.43 52.75,44.33 52.76,44.33 53,44.09 R60.2
co4_NRST: length 112.9
  Top w0.2: U16.7 59.32,52.1 59.32,51.3 v1(59.62,51) ; 54.36,37.88 54.36,38.93 v1(55.8,40.37) ; 54.19,38.17 52.49,38.17 52.11,37.8 52.11,36.4 51.41,35.7 49.47,35.7 48.21,36.97 J15.3
  Top w0.25: 50.88,116.42 50.88,119.66 52,120.78 52,121.63 U1.55
  In1.Cu w0.25: 67,87.17 67,56.9 62.45,52.35 60.97,52.35 v1(59.62,51) ; v1(50.88,116.51) 51.53,117.15 59.1,117.15 63,113.25 63,101.85 67.3,97.55 67.3,87.47 ; 67.11,87.55 66.81,87.25
  In3.Cu w0.2: v1(55.8,40.37) 55.8,47.2 59.6,51 v1(59.62,51)
co4_OSC_IN: length 11.7
  Top w0.25: HSE5.1 62.21,46.28 62.61,46.68 62.61,48.58 62.21,48.98 59.64,48.98 58.44,50.18 58.44,51.13 58.31,51.26 U16.5
  Top w0.3: 60.62,46.66 61.01,46.28 ; C67.1 61.05,46.66
co4_OSC_OUT: length 5.4
  Top w0.25: R53.1 61.86,49.46 59.81,49.46 58.9,50.37 58.9,51.32 58.81,51.4 U16.6
co4_pwr_cyc: length 25.5
  Top w0.2: v1(49.29,51.93) 49.42,51.81 50.43,51.81 50.55,51.93 J16.42 ; v1(64,56.5) 63.92,56.5 63.7,56.28 62.52,56.28 U16.20
  Bottom w0.2: v1(49.29,51.93) 49.29,55.84 52.1,58.65 63.3,58.65 64,57.95 v1(64,56.5)
co4_RGB_LED: length 31.3
  Top w0.2: 62.56,55.8 65.36,55.8 66.04,56.48 v1(66.04,57.7)
  Top w0.25: 41.26,57.78 42.55,57.78 v3(42.58,57.81)
  Bottom w0.2: v1(66.04,57.7) 64.14,59.6 51.43,59.6 50.28,58.46 43.22,58.46 v3(42.58,57.81)
co4_RTC_IN: length 5.7
  Top w0.25: U16.3 57.31,51.62 57.41,51.53 57.41,50.89 57.52,50.78 57.52,49.77 56.84,49.09 C68.1
  Top w0.3: Y5.1 56.84,47.96 56.84,48.73
co4_RTC_OUT: length 5.5
  Top w0.25: 57.71,48.78 57.75,48.81 57.75,49.24 57.97,49.46 57.97,49.47 57.99,49.49 57.99,50.94 57.86,51.08 57.86,52.06 U16.4
  Top w0.3: 57.71,48.73 57.71,47.92 Y5.2
